# Altium PCB PCB1.PcbDoc (continued)
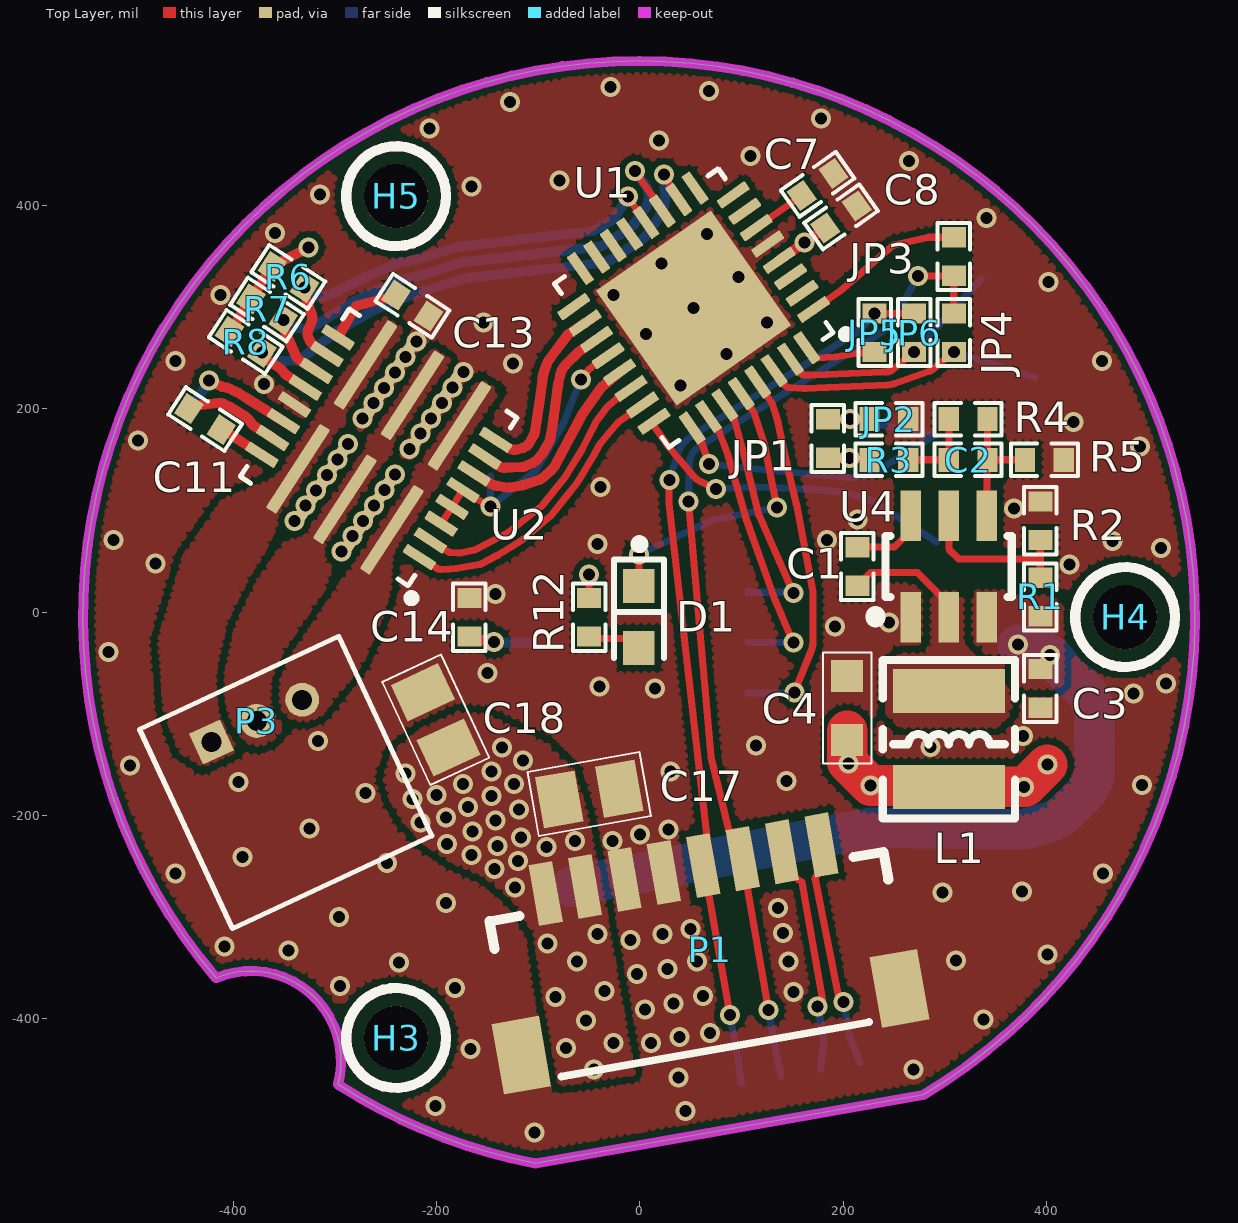
[diagram p0: Top Layer view]
## Footprints (in the part's own frame and the unit in brackets; to place one, negate y for a bottom-side part, rotate by r counter-clockwise, add the part's x,y. Pads: shape width x height; smd on the part's side, far side on the other; paste and mask are expansions set on the pad)
C_0402 [mil]
  rect 20x23.62 smd: 1(-19,0) 2(19,0)
  silkscreen extent -33,-16 33,16, body extent -20,-10 20,10, height 20
C_0603 [mm]
  rect 0.8x0.8 smd: 1(-0.788,0) 2(0.812,0)
  silkscreen extent -1.37,-0.61 1.41,0.61, body extent -1,-0.39 1,0.39, height 0.79
C_0805 [mm]
  rect 1x1.3 smd: 1(-0.762,0) 2(0.762,0)
  silkscreen extent -1.42,-0.81 1.42,0.81, body extent -1,-0.62 1,0.62, height 0.88
JST_SM08B-SRSS-TB(LF)(SN) [mm]
  rect 0.6x1.55 smd: 1(-3.5,4.775) 2(-2.5,4.775) 3(-1.5,4.775) 4(-0.5,4.775) 5(0.5,4.775) 6(1.5,4.775) 7(2.5,4.775) 8(3.5,4.775)
  rect 1.2x1.8 smd: P1(-4.8,0.9) P2(4.8,0.9)
  silkscreen extent -5,0.2 5,4.33, body extent -5,0.15 5,5.1, height 2.95
LED_0603 [mil] "LED_0603"
  rect 33x31 smd: A(-30.51,0) C(30.51,0)
  silkscreen extent -40,-25 76,25, body extent -32,-16 31,16, height 25
"M3 Hole" [mm] "M3 Hole with no copper"
  round 1.6 hole 1.6 unplated: 1(0,0)
MOLEX_530480310 [mm]
  rect 0.85x0.85 hole 0.5 mask+0.076: 1(0,0)
  round 0.85 hole 0.5 mask+0.076: 2(1.25,0) 3(2.5,0)
  silkscreen extent -1.5,-4.45 4,1.05, body extent -1.51,-4.45 3.99,1.05, height 3.5
NR3015 [mm]
  rect 1.1x2.8 smd: 1(-1.2,0) 2(1.2,0)
  silkscreen extent -1.98,-1.65 1.98,1.65, body extent -1.5,-1.5 1.5,1.5, height 1.45
QFN26-MPS [mm]
  rrect25% 0.86x0.25 smd: 1(-2.35,1.75) 2(-2.35,1.25) 3(-2.35,0.75) 4(-2.35,0.25) 5(-2.35,-0.25) 6(-2.35,-0.75) 7(-2.35,-1.25) 8(-2.35,-1.75) 14(2.35,-1.75) 15(2.35,-1.25) 16(2.35,-0.75) 17(2.35,-0.25) 18(2.35,0.25) 19(2.35,0.75) 20(2.35,1.25) 21(2.35,1.75)
  rrect25% 0.3x2.5 smd: 9(-1.4,-1.55) 10(-0.7,-1.55) 11(0,-1.55) 12(0.7,-1.55) 13(1.4,-1.55) 22(1.4,1.55) 23(0.7,1.55) 24(0,1.55) 25(-0.7,1.55) 26(-1.4,1.55)
  silkscreen extent -2.84,-2.5 2.5,2.82, body extent -2.5,-2.5 2.5,2.5, height 0.9
QFN32 [mm]
  rrect25% 0.86x0.25 smd: 1(-2.435,1.75) 2(-2.435,1.25) 3(-2.435,0.75) 4(-2.435,0.25) 5(-2.435,-0.25) 6(-2.435,-0.75) 7(-2.435,-1.25) 8(-2.435,-1.75) 17(2.435,-1.75) 18(2.435,-1.25) 19(2.435,-0.75) 20(2.435,-0.25) 21(2.435,0.25) 22(2.435,0.75) 23(2.435,1.25) 24(2.435,1.75)
  rrect25% 0.25x0.86 smd: 9(-1.75,-2.435) 10(-1.25,-2.435) 11(-0.75,-2.435) 12(-0.25,-2.435) 13(0.25,-2.435) 14(0.75,-2.435) 15(1.25,-2.435) 16(1.75,-2.435) 25(1.75,2.435) 26(1.25,2.435) 27(0.75,2.435) 28(0.25,2.435) 29(-0.25,2.435) 30(-0.75,2.435) 31(-1.25,2.435) 32(-1.75,2.435)
  rect 3.5x3.5 smd paste-0.64: 33(0,0)
  silkscreen extent -2.84,-2.5 2.5,2.82, body extent -2.5,-2.5 2.5,2.5, height 0.6
R_0402 [mil]
  rect 20x23.62 smd: 1(-19,0) 2(19,0)
  silkscreen extent -33,-16 33,16, body extent -20,-10 20,10, height 20
SOIC8 [mm]
  rect 1.55x0.6 smd: 1(-2.705,1.905)
  oval 1.55x0.6 smd: 2(-2.705,0.635) 3(-2.705,-0.635) 4(-2.705,-1.905) 5(2.695,-1.905) 6(2.695,-0.635) 7(2.695,0.635) 8(2.695,1.905)
  silkscreen extent -1.44,-2.54 1.44,2.54, body extent -3.01,-2.45 2.99,2.45, height 1.75
solder_pad_1 [mm]
  round 2 smd: 1(0,0)
SOT-23-6 [mil]
  rect 50x20 smd: 1(0,0) 2(0,-37.4) 3(0,-74.8) 4(100,-74.8) 5(100,-37.4) 6(100,0)
  silkscreen extent 0,-99 80,35, body extent -6,-95 104,19, height 57

## Part data
C1 C2 C3 C4 C7 C8 C11 C12 C13 C14 C15 C16 C17 C18: library part C
D1: library part LED_SMD
H3 H4 H5: library part "M3 Hole", "M3 Hole with no copper"
JP1 JP2 JP3 JP4 JP5 JP6 R1 R2 R3 R4 R5 R6 R7 R8 R9 R10 R11 R12 R13: library part R
L1: library part L-NR, "NR功率电感"
P1: library part "Header 8", "Header, 5-Pin", LatestRevisionDate=17-Jul-2002, LatestRevisionNote="Re-released for DXP Platform.", Publisher="Altium Limited"
P2: "Header, 5-Pin", LatestRevisionDate=17-Jul-2002, LatestRevisionNote="Re-released for DXP Platform.", Publisher="Altium Limited"
P3: library part "Header 3", "Header, 2-Pin", LatestRevisionDate=17-Jul-2002, LatestRevisionNote="Re-released for DXP Platform.", Publisher="Altium Limited"
U1: library part STM32G031KBUx, Package="UFQFN-32 STMicroelectronics", Availability="In Stock", Check_prices=https://www.snapeda.com/parts/STM32G431KBU3/STMicroelectronics/view-part/4524042/?ref=eda, MF=STMicroelectronics, MP=STM32G431KBU3, Price=None, Purchase-URL=https://pricing.snapeda.com/search/part/STM32G431KBU3/?ref=eda, SnapEDA_Link=https://www.snapeda.com/parts/STM32G431KBU3/STMicroelectronics/view-part/4524042/?ref=snap
U2: Package="UFQFN-32 STMicroelectronics", Availability="In Stock", Check_prices=https://www.snapeda.com/parts/STM32G431KBU3/STMicroelectronics/view-part/4524042/?ref=eda, MF=STMicroelectronics, MP=STM32G431KBU3, Price=None, Purchase-URL=https://pricing.snapeda.com/search/part/STM32G431KBU3/?ref=eda, SnapEDA_Link=https://www.snapeda.com/parts/STM32G431KBU3/STMicroelectronics/view-part/4524042/?ref=snap

## Via types
v1: diameter 19.68, hole 11.81, Top Layer to Bottom Layer, tented both sides, 198 vias

## Nets (pads, with @x,y where several pads share a name; then routed paths per layer and width w, separated by ;. In a path a pad name is that pad's centre, name@x,y a point inside that pad or via, vN(x,y) a via of type N, cw(c..) or ccw(c..) an arc to the next point about the centre after c; other vN are vias at no path point)
3v3: 3V3.1 C4.1 C8.1 C14.1 JP1.2 L1.1 R3.2 R6.2 R7.2 R8.2 R12.1 U1.4 U3.6 | length 546.6
  Top Layer w7: R12.1 v1(-49.89,36.95)
  Top Layer w10: R8.2 -399.84,281.82 -382.7,308.21 -365.57,334.6 R6.2 v1(-326,359) ; C14.1 -164.23,-27.72 -145.23,-27.72 v1(-143.38,-29.57) ; U1.4 178.43,375.11 C8.1 ; JP1.2 191.92,151.61 v1(206.51,151.61) 221.11,151.61 R3.2
  Top Layer w40: C4.1@204.11,-117.05 C4.1 204.11,-147.62 v1(205.55,-149.06) v1(227.14,-170.64) 302.45,-170.64 L1.1 304.35,-172.05 v1(378.11,-172.05) 379.11,-172.05 v1(401.11,-150.05)
  Bottom Layer w10: v1@-142.89,-30.05 -106.99,-30.05 U3.6
  other v1: 162,364
EN: R13.1 U1.20 U2.3 U2.4 U2.5 | length 294.5
  Top Layer w7: U2.3 -194.72,88.29 U2.4 -174.82,118.92 U2.5 -162.68,112.95 -152.35,106.24 -150.05,103.95 v1(-146.89,103.95) ; v1(-58,229) -49.61,239.25 cw(c-44.19,234.82) -48.21,240.55 -42.27,244.71 U1.20
  Bottom Layer w7: R13.1 v1(-146.89,103.95) -103.11,138.93 ccw(c-107.46,144.42) -101.42,140.88 -75.29,185.51 ccw(c-81.32,189.06) -74.8,186.52 -68.01,203.97 cw(c-61.49,201.44) -67.99,204.03 v1(-58,229)
GND: C3.2 C4.2 C7.2 C8.2 C13.2 C14.2 C15.1 C16.1 C17.1 C18.1 GND.1 JP2.1 P1.3 P1.4 P1.P1 P1.P2 P2.3 P2.4 P2.P1 P2.P2 R2.2 R5.2 R9.1 R10.1 R11.1 R13.2 U1.5 U1.33 U2.10 U2.12 U2.18 U3.7 U4.1
  other v1: -103.89,-512.05 45.11,-491.05 -200.89,-486.05 38.11,-458.05 269.11,-450.05 -166.89,-430.05 11.11,-424.05 39.11,-418.05 69.11,-414.05 338.11,-401.05 5.11,-391.05 33.11,-385.05 62.11,-378.05 151.11,-374.05 -181.89,-370.05 -294.89,-368.05 -2.89,-356.05 27.11,-351.05 -236.89,-345.05 56.11,-344.05 146.11,-344.05 311.11,-343.05 401.11,-337.05 -345.89,-333.05 -408.89,-329.05 -9.3,-322.75 22.11,-317.05 141.11,-316.05 50.11,-312.05 -295.89,-300.05 136.11,-291.05 -190.89,-286.05 298.11,-276.05 376.11,-275.05 -456.89,-257.05 456.11,-257.05 -248.89,-247.05 -390.89,-241.05 -26.89,-225.05 0.11,-219.05 28.11,-214.05 -324.89,-213.05 -269.89,-178.05 494.11,-170.05 -394.89,-167.05 144.11,-166.05 30.11,-157.05 -501.89,-151.05 286,-133 114.11,-131.05 -316.89,-127.05 377.11,-122.05 486.11,-80.05 15.11,-75.05 -39.89,-73.05 518.11,-70.05 -149.89,-60.05 -522.89,-39.05 192,-14 245,-10 -141.89,17.95 423.11,46.95 -476.89,47.95 513.11,62.95 -41.89,66.95 465.11,69.95 -517.89,70.95 184,71 214,91 368.11,101.95 -38.89,122.95 -226.53,160.55 492.11,162.95 -493.89,168.95 -215.98,175.68 427,187 -272.75,190.57 -205.44,190.81 -262.21,205.7 -194.89,205.95 -251.66,220.83 -184.35,221.08 40,223 -369.82,224.4 -241.12,235.97 -173.81,236.21 -124.89,244.95 -456.89,246.95 455.11,246.95 -230.58,251.1 85.11,253.95 -220.03,266.23 6.11,273.95 -153.89,284.95 125,284.95 52.95,299.27 -412.89,311.95 -25.89,311.95 402.11,324.95 97.11,329.95 21.11,342.95 66.11,371.95 -358.89,372.95 341.11,387.95 -314.89,410.95 -165.89,418.95 -79,425 265.11,443.95 109,449 19,464 -206.89,475.95 178.11,485.95 -127.89,501.95 68.11,512.95 -28.89,516.95
I2C_SCL: JP5.2 U1.32 | length 73.1
  Top Layer w7: U1.32@165.49,261.14 U1.32 173.24,250.07 192.04,251.21 ccw(c191.61,258.2) 192.76,251.29 214.42,254.9 cw(c215.58,248) 215.58,255 222.69,255 JP5.2
I2C_SDA: JP3.2 U1.1 | length 161.5
  Top Layer w7: U1.1@171.77,296.62 171.92,296.75 182.01,305.5 197,316 247.68,359.86 cw(c252.26,354.56) 250.7,361.39 283.23,368.82 cw(c284.79,362) 284.79,369 300.69,369 JP3.2
LED: D1.C U1.28 | length 294.5
  Top Layer w7: v1(-0.89,56.95) -0.89,38.71 D1.C ; U1.28 107.22,203.84 111.89,197.16 cw(c106.15,193.15) 112.01,196.98 121.86,167.41 cw(c115.22,165.2) 122.08,166.6 ; 122.09,166.57 127,142 v1(135,103)
  Bottom Layer w7: v1(-0.89,56.95) 71.26,90.54 cw(c75.27,81.93) 73.48,91.26 v1(135,103)
NetC1_1: C1.1 L1.2 U4.2 | length 121.2
  Top Layer w7: C1.1 227.11,38.95 273.11,38.95 304.11,7.95 U4.2
NetC1_2: C1.2 U4.6 | length 74.2
  Top Layer w7: C1.2 250.7,63.95 266.7,79.95 U4.6
NetC2_1: C2.1 R4.1 R5.1 U4.4 | length 132.2
  Top Layer w7: U4.4 341.81,95.25 341.81,149.65 C2.1 ; R4.1 C2.1 ; R5.1 C2.1
NetC2_2: C2.2 R3.1 R4.2 | length 80
  Top Layer w7: R3.1 C2.2 R4.2
NetC7_1: C7.1 U1.6 | length 54.9
  Top Layer w7: U1.6 125.53,386.17 C7.1@159.53,409.97
NetC11_1: C11.1 U2.20 | length 94.4
  Top Layer w10: C11.1 -435.93,203.28 -415.28,205.87 cw(c-413.91,194.95) -409.1,204.84 -404.34,202.52 cw(c-408.71,193.53) -403.39,202 -387.55,191.99 cw(c-392.89,183.54) -384.75,189.35 -381.98,185.47 ccw(c-373.87,191.31) -379.32,182.93 ; -379.29,182.91 U2.20
NetC11_2: C11.2 U2.21 | length 47
  Top Layer w10: C11.2 -407.25,177.67 U2.21
NetC12_1: C12.1 U2.19 | length 118.1
  Top Layer w10: v1(-423.89,227.95) -410.97,221.79 cw(c-413.91,194.95) -402.02,219.19 -397.39,216.94 cw(c-408.71,193.53) -394.86,215.54 ; -394.83,215.51 -385.74,209.77 ; -385.72,209.76 U2.19
  Bottom Layer w10: C12.1 -438.73,205.1 v1(-423.89,227.95)
NetC13_1: C13.1 U2.14 | length 76.5
  Top Layer w10: U2.14 -279.15,301.44 C13.1
NetD1_A: D1.A R12.2 | length 52.5
  Top Layer w7: R12.2 -41.58,-25.96 -12.85,-25.96 D1.A
NetJP3_1: JP3.1 JP4.1 P1.6 P2.6 | length 973.3
  Top Layer w7: v1(48,109) 69.96,-141.49 ccw(c76.93,-140.86) 70.12,-142.49 88.3,-217.53 P1.6 105.23,-269.4 v1(126.79,-391.64) ; v1(274,331) JP3.1 JP4.1
  Bottom Layer w7: 48.17,119.34 48.82,146.45 cw(c68.16,145.98) 53.18,158.22 cw(c68.16,145.98) 57.87,162.36 cw(c68.16,145.98) 57.92,162.4 223.84,266.4 ccw(c216.93,277.42) 223.96,266.48 241.31,277.63 ccw(c231,294) 247.86,284.52 v1(274,331) ; v1(126.79,-391.64) 133.64,-430.47 P2.6
NetJP5_1: JP5.1 JP6.1 P1.5 P2.5 | length 905.9
  Top Layer w7: v1(29,130) 28.66,109.32 ccw(c48,109) 28.78,106.83 65.9,-221.48 P1.5 67.7,-276.02 v1(88.96,-396.61) ; v1(231,294) JP6.1
  Bottom Layer w7: v1(29,130) 37.38,155.93 cw(c68.16,145.98) 42.75,166 cw(c68.16,145.98) 51.04,173.42 216.89,277.39 ; v1(88.96,-396.61) 96.1,-437.09 P2.5 ; 216.93,277.42 v1(231,294)
NetP1_7: P1.7 P2.7 | length 224.9
  Top Layer w7: P1.7 152.71,-261.03 159.61,-265.86 179.94,-381.15 v1(175.11,-388.05)
  Bottom Layer w7: v1(175.11,-388.05) 181.11,-422.1 P2.7
NetP1_8: P1.8 P2.8 | length 222.6
  Top Layer w7: P1.8 175.34,-257.04 172.29,-261.6 195.85,-380.6 v1(200.41,-383.65)
  Bottom Layer w7: v1(200.41,-383.65) 206.4,-417.64 P2.8
NetR1_1: R1.1 R2.1 U4.5 | length 163.9
  Top Layer w7: U4.5 304.11,61.95 313.61,52.45 394.11,52.45 ; R1.1 394.11,52.45 ; R2.1 394.11,52.45
nFAULT: U1.23 U2.1 | length 292.2
  Top Layer w7: U2.1 -205.56,46.93 -199.85,43.22 ; -199.81,43.19 ccw(c-196.08,49.12) -195.7,42.13 -186.93,42.59 -181.27,42.92 ; -180.53,43.01 cw(c-181.68,49.91) -181.25,42.93 ; U1.23 -8.16,195.99 -20.9,187.07 cw(c-24.92,192.8) -21.09,186.94 -21.33,186.74 ccw(c-16.89,181.33) -22.28,185.8 -39.78,164.64 ccw(c-34.39,160.18) -40.62,163.37 -45.34,154.25 cw(c-63.1,163.44) -46.04,153 -59.95,130.25 cw(c-92.88,148.19) -63.57,124.8 -70.15,116.55 -86.1,96.57 cw(c-101.73,109.05) -89.28,93.39 -91.73,91.45 -115.58,71.23 cw(c-120.1,76.57) -116.38,70.65 -139.67,56.09 cw(c-143.39,62.02) -140.11,55.83 -155.87,47.49 cw(c-159.17,53.66) -157.99,46.76 -181.25,42.93
nSLEEP: U1.22 U2.2 | length 286.9
  Top Layer w7: U2.2@-194.66,64.14 U2.2 -194.83,63.45 -189.32,59.87 ; -189.29,59.85 ccw(c-185.51,65.74) -186.24,58.78 -178.96,58.05 ccw(c-178.27,65.02) -176.87,58.16 -162.86,61.08 ccw(c-165.02,67.73) -161.81,61.51 -129.47,78.37 ccw(c-132.68,84.59) -128.34,79.09 -97.36,103.58 ccw(c-101.73,109.05) -96.25,104.69 -73.73,132.91 ccw(c-92.88,148.19) -71.32,136.55 cw(c-59.95,130.25) -71.04,137.03 -57.13,159.79 ccw(c-63.1,163.44) -56.89,160.22 -42.29,188.44 cw(c-36.07,185.23) -41.62,189.5 -32.4,201.48 cw(c-26.85,197.21) -31.51,202.44 -23.3,209.73 cw(c-18.65,204.5) -22.66,210.24 -19.62,212.36 U1.22
NSS: U1.26 U3.3 | length 283.7
  Top Layer w7: U1.26 75.24,181.44 78.3,177.07 86.95,154.06 103.88,94.2 ccw(c135,103) 104.52,92.19 132.77,12.53 ccw(c151,19) 133.23,11.36 139.03,-2.07 141.29,-7.34 v1(151,-30)
  Bottom Layer w7: U3.3 124.45,-29.88 v1(151,-30)
PWM_A: U1.21 U2.6 | length 202.9
  Top Layer w10: U2.6 -145.13,125.69 ccw(c-140.02,134.29) -142.49,124.6 ; -142.44,124.58 ccw(c-140.02,134.29) -141.67,124.42 -131.14,122.67 ccw(c-129.48,132.53) -127.78,122.67 -115.65,124.81 ccw(c-117.36,134.67) -114.22,125.17 ; -114.2,125.18 -98.89,130.28 ccw(c-102.08,139.76) -95.32,132.39 -86.12,140.82 ; -86.11,140.83 ccw(c-92.88,148.19) -84.1,143.41 -75.54,159.1 -57,194 -37.88,220.95 U1.21
PWM_B: U1.19 U2.7 | length 195.9
  Top Layer w10: U2.7 U2.7@-138.63,143.78 ; U2.7@-138.61,143.76 ccw(c-133.06,152.09) -132.57,142.1 -116.31,142.84 -115.82,142.86 ; -115.78,142.86 ccw(c-116.28,152.85) -112.11,143.76 -104.86,147.05 ccw(c-109,156.16) -101.47,149.57 -96.52,155.23 ccw(c-104.05,161.81) -95.4,156.79 -89.76,166.47 ; -89.74,166.5 ccw(c-98.42,171.47) -88.96,168.22 -88.89,168.43 ccw(c-98.35,171.67) -88.57,169.58 -88.55,169.65 -85.97,182.59 ccw(c-95.77,184.55) -85.86,183.23 -81.49,216.02 ; -81.48,216.07 -80.27,224.85 -78.35,233.52 cw(c-58,229) -72.77,243.7 -60.63,255.91 U1.19
PWM_C: U1.18 U2.8 | length 174.2
  Top Layer w10: U2.8 U2.8@-128.67,161.33 ; U2.8@-128.64,161.3 ccw(c-123.35,169.79) -120.57,160.18 ; -120.57,160.18 -114.81,161.83 ccw(c-117.56,171.44) -108.87,166.48 -104.49,174.15 -104.47,174.2 ccw(c-113.2,179.07) -103.31,177.58 -98.91,206.86 ; -98.89,206.98 -95.48,231.68 cw(c-85.58,230.27) -95.19,233.06 -93.38,239.28 cw(c-58,229) -90.81,245.75 cw(c-58,229) -87.42,251.18 -70.98,272.97 U1.18
SA: P3.3 U2.9 U2.26
SB: P3.2 U2.11 U2.24
SC: P3.1 U2.13 U2.22
SCK: U1.27 U3.2 | length 243.5
  Top Layer w7: U1.27 91.21,192.63 92.96,190.15 102.99,153.03 116.2,98.45 ccw(c135,103) 117.31,95.18 v1(151,19)
  Bottom Layer w7: U3.2 106.34,19.56 150.44,19.56 v1(151,19)
SDATA: U1.29 U3.4 | length 377.7
  Top Layer w7: U1.29@124.22,215.74 U1.29 123.53,215.26 129.37,206.91 cw(c123.64,202.9) 130.31,205.01 135.9,187.31 cw(c129.23,185.2) 136.06,186.71 144.54,147.41 153.84,107.38 cw(c135,103) 154,106.62 170,22.62 cw(c151,19) 170.34,19 170.34,-30.01 cw(c151,-30) 168.92,-37.27 v1(152,-79)
  Bottom Layer w7: U3.4 106.22,-79.44 151.56,-79.44 v1(152,-79)
SOA: R6.1 R9.2 U1.12 U2.15 | length 454.3
  Top Layer w7: v1(-11.89,408.95) -1.72,394.41 U1.12
  Top Layer w10: v1(-329.96,319.6) -329.48,311.16 -322.99,292.95 cw(c-332.41,289.59) -323.11,285.91 ; -326.18,270.09 -325.03,267.5 ccw(c-315.91,271.59) U2.15@-321.59,263.37 ; -326.2,270.12 cw(c-317.04,274.15) -326.32,277.89 -323.12,285.88 ; U2.15@-321.56,263.35 U2.15
  Bottom Layer w10: v1(-329.96,319.6) -318.36,311.91 ccw(c-312.84,320.24) -308.95,311.03 -295.14,316.85 -269.58,330.07 -238.26,343.56 cw(c-234.3,334.37) -235.06,344.34 ccw(c-239.9,409.38) -221.09,346.94 -178.74,359.69 cw(c-175.86,350.11) -177.01,360.05 -45.52,375.29 -27.17,386.04 ccw(c-32.22,394.67) -23.66,389.49 v1(-11.89,408.95)
SOB: R7.1 R10.2 U1.11 U2.16 | length 541.4
  Top Layer w7: v1(-4.89,433.95) 14.73,405.92 U1.11
  Top Layer w10: v1(-350.96,287.6) -350.48,279.16 -338.73,252.45 ccw(c-329.57,256.47) -335.04,248.1 ; -335.01,248.08 U2.16
  Bottom Layer w10: v1(-350.96,287.6) -340.99,281.12 ; -340.96,281.1 ccw(c-335.54,289.51) -337.16,279.64 -330.05,278.5 ccw(c-328.46,288.37) -323.11,279.92 ; -323.1,279.92 -282.13,305.53 cw(c-276.83,297.05) -281.08,306.1 -239.85,325.45 cw(c-235.6,316.39) -238.05,326.09 -220.05,330.63 ccw(c-239.9,409.38) -216.47,331.62 -200.98,336.28 -175.49,343.96 ; -175.45,343.97 cw(c-172.61,334.38) -173.76,344.32 -67.05,356.69 ; -67.01,356.7 -40.23,359.69 ; -40.21,359.69 ccw(c-41.34,369.62) -35.9,361.23 -8.75,378.75 ccw(c-14.17,387.15) -6.04,381.33 5.05,396.81 ccw(c-11.89,408.95) 4.58,421.71 v1(-4.89,433.95)
SOC: R8.1 R11.2 U1.10 U2.17 | length 554
  Top Layer w7: v1(23.57,430.85) 35.74,409.95 ccw(c41.79,413.47) 35.89,409.7 U1.10
  Top Layer w10: R8.1@-369.59,250.06 -354.7,240.39 cw(c-360.15,232) -352.36,238.28 ; -352.34,238.25 -349.85,235.14 ccw(c-342.06,241.41) -347.62,233.1 ; -347.59,233.08 U2.17
  Bottom Layer w10: v1(-371.96,255.6) -367.77,252.87 -362.23,249.28 ccw(c-356.81,257.68) -357.83,247.74 ; -357.8,247.73 -350.74,247.03 ccw(c-349.78,256.99) -349.05,247.01 ; -349.01,247.01 -338.05,247.87 ccw(c-338.79,257.84) -332.68,249.93 -298.48,276.36 cw(c-292.36,268.45) -297.34,277.12 ; -297.31,277.14 -260.96,297.83 cw(c-256.02,289.14) -259.6,298.48 -217.24,314.76 cw(c-213.65,305.43) -216.1,315.12 ccw(c-239.9,409.38) -211.86,316.3 -172.28,328.22 cw(c-169.35,318.65) -170.54,328.58 ; -170.51,328.59 -152.57,330.67 -65.17,340.8 -38.42,343.79 ccw(c-41.34,369.62) -31.45,345.58 -29.61,346.33 ccw(c-33.42,355.58) -27.97,347.19 -0.08,365.3 ccw(c-14.17,387.15) 6.99,372.04 12.04,379.1 18.03,387.46 ccw(c-11.89,408.95) 24.87,411.39 v1(23.57,430.85)
SWCK: CK.1 JP1.1 JP2.2 U1.25 | length 398.8
  Top Layer w7: U1.25 59.1,170.15 59.8,169.15 cw(c54.06,165.14) 60.67,167.44 v1(68.16,145.98) ; JP1.1 207,189.95 JP2.2
  Bottom Layer w7: v1(68.16,145.98) 108.13,141.44 ccw(c108.92,148.39) 108.61,141.4 ; 108.64,141.4 cw(c108.37,134.4) 109.04,141.37 204.65,132.36 204.73,132.35 ccw(c206.51,151.61) 208.9,132.42 ; v1(207,190) CK.1 227.34,135.32 cw(c223.67,141.28) 224.52,134.33 208.93,132.42
SWIO: IO.1 U1.24 | length 338
  Top Layer w7: U1.24@2.93,180.15 U1.24 12.66,185.21 27.63,163.83 53.22,133.52 ccw(c68,146) 59.46,128.64 v1(75,121)
  Bottom Layer w7: v1(75,121) 112.66,123.24 cw(c114.11,103.95) 114.94,123.27 168.94,120.95 cw(c168.64,113.96) 169.27,120.93 201.33,118.02 cw(c200.7,111.04) 202.84,117.71 229.23,109.23 ; 229.25,109.22 cw(c227.09,102.56) 230.88,108.45 IO.1
UART1_RX: JP6.2 RX.1 U1.31 | length 234.1
  Top Layer w7: U1.31 155.67,237.76 U1.31@156.81,236.13 ; U1.31@156.82,236.11 ccw(c162.54,240.15) 162.84,233.15 183.86,233.99 ; 183.89,234 238.84,236.49 cw(c239.16,229.5) 239.16,236.5 242.81,236.5 ccw(c242.81,246) 248.93,238.73 ; 248.94,238.74 261.69,249.5 v1(270,256)
  Bottom Layer w7: v1(270,256) RX.1
UART1_TX: JP4.2 TX.1 U1.30 | length 277.7
  Top Layer w7: U1.30 139.96,226.77 U1.30@141.85,224.08 ; U1.30@141.87,224.05 ccw(c147.58,228.09) 147.13,221.11 161.24,220.19 ccw(c162.54,240.15) 163.31,220.16 184.4,221.01 ; 184.43,221.01 243.76,223.52 ccw(c242.81,246) 250.31,224.79 284.98,237.04 ccw(c281.81,246) 287.93,238.73 ; 287.94,238.74 300.69,249.5 v1(309,256)
  Bottom Layer w7: v1(309,256) TX.1
VIN: C3.1 C12.2 C15.2 C16.2 C17.2 C18.2 P1.1 P1.2 P2.1 P2.2 R1.2 U2.23 U2.25 U4.3 | length 711
  Bottom Layer w40: -66.89,-270.05 145.27,-227.77 225.18,-212.79 cw(c232.56,-252.1) 233.1,-212.11 371.23,-213.97 371.29,-213.98 ccw(c371.77,-173.98) 382.82,-212.42 402.43,-206.82 ccw(c391.44,-168.36) 419.32,-197.04 435.78,-181.03 ccw(c407.9,-152.35) 447.9,-151.87 447.3,-101.9 ccw(c407.3,-102.38) 430.58,-69.86 cw(c477.62,-4.88) 414.88,-54.86 409.46,-48.05 409.41,-47.99 ccw(c378.17,-72.97) 382.59,-33.22 v1(372.11,-32.05)
  other v1: -44.89,-450.05 -72.89,-429.05 -25.89,-424.05 -52.89,-402.05 -82.89,-379.05 -34.89,-373.05 -61.89,-344.05 -90.89,-326.05 -41.89,-317.05 -122.89,-271.05 -142.89,-253.05 -119.89,-245.05 -165.89,-239.05 -91.89,-231.05 -139.89,-230.05 -189.89,-228.05 -63.89,-225.05 -116.89,-222.05 -164.89,-216.05 -215.89,-207.05 -141.89,-205.05 -190.89,-202.05 -118.89,-194.05 -168.89,-192.05 -223.89,-184.05 -145.89,-181.05 -199.89,-180.05 -173.89,-169.05 -123.89,-169.05 -230.89,-159.05 -145.89,-157.05 -114.89,-146.05 -135.89,-133.05 403.55,-42.05 -293.53,59.55 -282.98,74.68 -339.75,89.57 -272.44,89.81 -329.21,104.7 -261.89,104.95 -318.66,119.83 -251.35,120.08 -308.12,134.97 -240.81,135.21 -297.58,150.1 -287.03,165.23
pads on no net: H3.1 H4.1 H5.1 U1.2 U1.3 U1.7 U1.8 U1.9 U1.13 U1.14 U1.15 U1.16 U1.17 U3.1 U3.5 U3.8

## Polygon pours and split planes (outlines as drawn)
GND on Top Layer "GND_L01_P008" (hatched 90Degree grid 0 track 8, remove dead copper, pour order 8): -547.97,-4.88 ccw(c-0.72,-4.88) -0.72,-552.13 ccw(c-0.72,-4.88) 546.52,-4.88 ccw(c-0.72,-4.88) -0.72,542.36 ccw(c-0.72,-4.88)
NetC1_1 on Top Layer "NETC1_1_L01_P006" (hatched 90Degree grid 0 track 8, pour order 6): 294.11,17.95 289.11,12.95 289.11,-33.05 279.11,-43.05 257.11,-43.05 245.11,-55.05 245.11,-99.05 257.11,-111.05 350.11,-111.05 363.11,-98.05 363.11,-50.55 351.61,-39.05 323.11,-39.05 316.11,-32.05 316.11,12.95 311.11,17.95
VIN on Top Layer "VIN_L01_P005" (hatched 90Degree grid 0 track 8, pour order 5): 332.11,18.95 330.11,16.95 330.11,-27.05 342.11,-39.05 361.11,-39.05 369.11,-47.05 369.11,-66.05 376.11,-73.05 410.11,-73.05 415.11,-68.05 415.11,2.95 403.11,14.95 366.03,14.95 366.03,15.03 362.11,18.95
SC on Top Layer "SC_L01_P002" (hatched 90Degree grid 0 track 7, remove dead copper, pour order 2): -360.65,81.63 -387.89,25.95 -401.89,-6.05 -409.89,-44.05 -412.89,-59.05 -412.89,-86.05 -410.89,-99.05 -405.89,-112.05 -399.89,-136.05 -429.89,-150.05 -451.89,-136.05 -466.89,-95.05 -471.89,-27.05 -447.89,53.95 -409.89,108.95 -357.4,130.93 -254,289.94 -233.62,276.98
VIN on Top Layer "VIN_L01_P004" (hatched 90Degree grid 0 track 8, pour order 4): -101.69,-316.5 -80.89,-464.05 -7.89,-453.05 -33.89,-305.05 -35.89,-290.05 -54.89,-196.05 -67.39,-156.55 -91.89,-132.05 -122.89,-117.05 -151.89,-103.05 -178.89,-101.05 -213.89,-117.05 -241.89,-139.05 -249.89,-163.05 -242.89,-185.05 -230.89,-205.05 -224.39,-211.05 -213.89,-224.05 -185.89,-243.05 -151.89,-258.05 -123.14,-281.8
SB on Top Layer "SB_L01_P001" (hatched 90Degree grid 0 track 7, remove dead copper, pour order 1): -307.92,61.61 -305.89,40.95 -313.89,17.95 -352.89,-42.05 -359.89,-64.05 -360.89,-79.05 -357.89,-91.05 -353.89,-105.05 -355.89,-117.05 -361.89,-124.05 -371.89,-129.05 -381.89,-129.05 -392.89,-119.05 -398.89,-109.05 -402.89,-99.05 -406.39,-82.05 -406.39,-59.55 -395.89,-13.05 -373.99,31.7 -349.89,65.95 -327.09,76.43 -207.77,259.92 -187.4,246.96
SA on Top Layer "SA_L01_P000" (hatched 90Degree grid 0 track 7, remove dead copper, pour order 0): -245.28,56.85 -246.89,23.95 -253.89,-1.05 -274.89,-50.05 -313.89,-99.05 -325.89,-105.05 -336.89,-105.05 -345.89,-101.05 -350.89,-94.05 -352.89,-84.05 -351.89,-68.05 -342.89,-46.05 -288.94,33.99 -288.57,34.56 -161.54,229.91 -141.17,216.94
GND on Bottom Layer "GND_L04_P007" (hatched 90Degree grid 0 track 8, remove dead copper, pour order 7): -548.09,-4.8 ccw(c-0.85,-4.8) -0.85,-552.04 ccw(c-0.85,-4.8) 546.39,-4.8 ccw(c-0.85,-4.8) -0.85,542.44 ccw(c-0.85,-4.8)
VIN on Bottom Layer "VIN_L04_P003" (hatched 90Degree grid 0 track 8, pour order 3): -314.89,-65.05 -289.89,-90.05 -272.89,-121.05 -257.89,-152.05 -234.89,-198.05 -213.89,-224.05 -185.89,-243.05 -151.89,-258.05 -127.89,-277.05 -118.39,-286.55 -103.41,-329.53 -94.39,-368.55 -83.89,-444.05 -68.89,-532.05 -60.89,-535.05 -19.89,-530.05 5.11,-523.05 7.11,-516.05 5.11,-501.05 -5.89,-462.05 -27.89,-356.05 -40.89,-282.05 -54.89,-196.05 -76.89,-160.05 -104.89,-139.05 -150.54,-111.52 -171.67,-71.37 -185.89,-12.05 -189.52,42.95 -194.89,85.95 -209.89,116.95 -234.89,142.95 -283.89,174.95 -309.54,190.53 -348.89,203.95 -395.89,204.95 -413.91,194.95 -430.74,172.72 -426.89,150.95 -412.89,133.95 -409.89,108.95 -419.89,75.95 -427.89,42.95 -429.89,-17.05 -430.72,-36.88 -422.89,-49.05 -411.39,-51.55 -391.89,-51.05 -356.39,-53.05
GND on GND "GND_L02_P009" (hatched 90Degree grid 0 track 8, remove dead copper, pour order 9): -547.97,-4.88 ccw(c-0.72,-4.88) -0.72,-552.13 ccw(c-0.72,-4.88) 546.52,-4.88 ccw(c-0.72,-4.88) -0.72,542.36 ccw(c-0.72,-4.88)
3v3 on POWER "3V3_L03_P010" (hatched 90Degree grid 0 track 8, remove dead copper, pour order 10): -547.97,-4.88 ccw(c-0.72,-4.88) -0.72,-552.13 ccw(c-0.72,-4.88) 546.52,-4.88 ccw(c-0.72,-4.88) -0.72,542.36 ccw(c-0.72,-4.88)

## Keep-outs
Keep-Out Layer:
  circle w10: c-239.9,409.38 r49.21
  circle w10: c477.62,-4.88 r49.21
  circle w10: c-239.9,-419.14 r49.21
  lines w10: -417.04,-360.13 cw(c-382.74,-441.81) -297.21,-464.85 ccw(c-0.85,-4.8) -102.75,-542.47 278.8,-475.2 ccw(c-0.85,-4.8) -417.04,-360.13

## Silkscreen, mask and mechanical layers (free items; w line width, h text height)
Top Overlay:
  circle w10: c477.62,-4.88 r49.21
  circle w10: c-239.9,409.38 r49.21
  circle w10: c-239.9,-419.14 r49.21
Bottom Overlay:
  lines w10: -224.24,31.05 cw(c0,0) -172.51,146.59 ; -169.61,-155.69 ccw(c-0.85,-4.8) 176.16,-145.91 ; -120.88,187.13 cw(c-0.85,-4.8) 208.17,-91.74
Top Solder:
  lines w30: -446.06,-65.28 -431.44,13 cw(c-411.78,9.36) -429.53,18.58 -404.95,65.92 cw(c-387.2,56.7) -402.41,69.69 -389.9,84.34 ; -379.89,-41.05 -358.47,9.6 cw(c-340.04,1.83) -357.15,12.18 -336.95,45.58 ; -285.89,-6.05 -271.89,15.95
Bottom Solder:
  lines w40: -296.24,-23.83 -221.24,-152.83 ; -244.89,3.95 -169.89,-125.05
Drill Guide:
  lines w10: -548.09,-4.8 -0.85,-4.8 -0.85,542.44 ; -324.82,-4.09 cw(c-0.72,-4.09) -272.53,172.43 ; -257,162.25 -0.72,-4.88 75.66,-438.08 cw(c-0.72,-4.09) -0.72,-444.75 ; -0.89,-5.05 52.95,299.27 ; -0.72,-4.09 546.52,-4.09 ; -0.72,325.41 cw(c-0.72,-4.09) 56.69,320.37
Mechanical 1:
  circle w10: c-240.02,-419.06 r29.53
  circle w10: c477.5,-4.8 r29.53
  circle w10: c-240.02,409.46 r29.53
  circle w10: c-239.9,409.38 r29.53
  circle w10: c-239.9,-419.14 r29.53
  circle w10: c477.62,-4.88 r29.53
  lines w10: -0.72,-5.22 -0.72,-4.88 ; -417.04,-360.13 cw(c-0.85,-4.8) 278.8,-475.2 -102.75,-542.47 cw(c-0.85,-4.8) -297.21,-464.85 ccw(c-382.74,-441.81) -417.04,-360.13